# Altium PCB EL6905.PcbDoc (part 2 of 2) (continued)
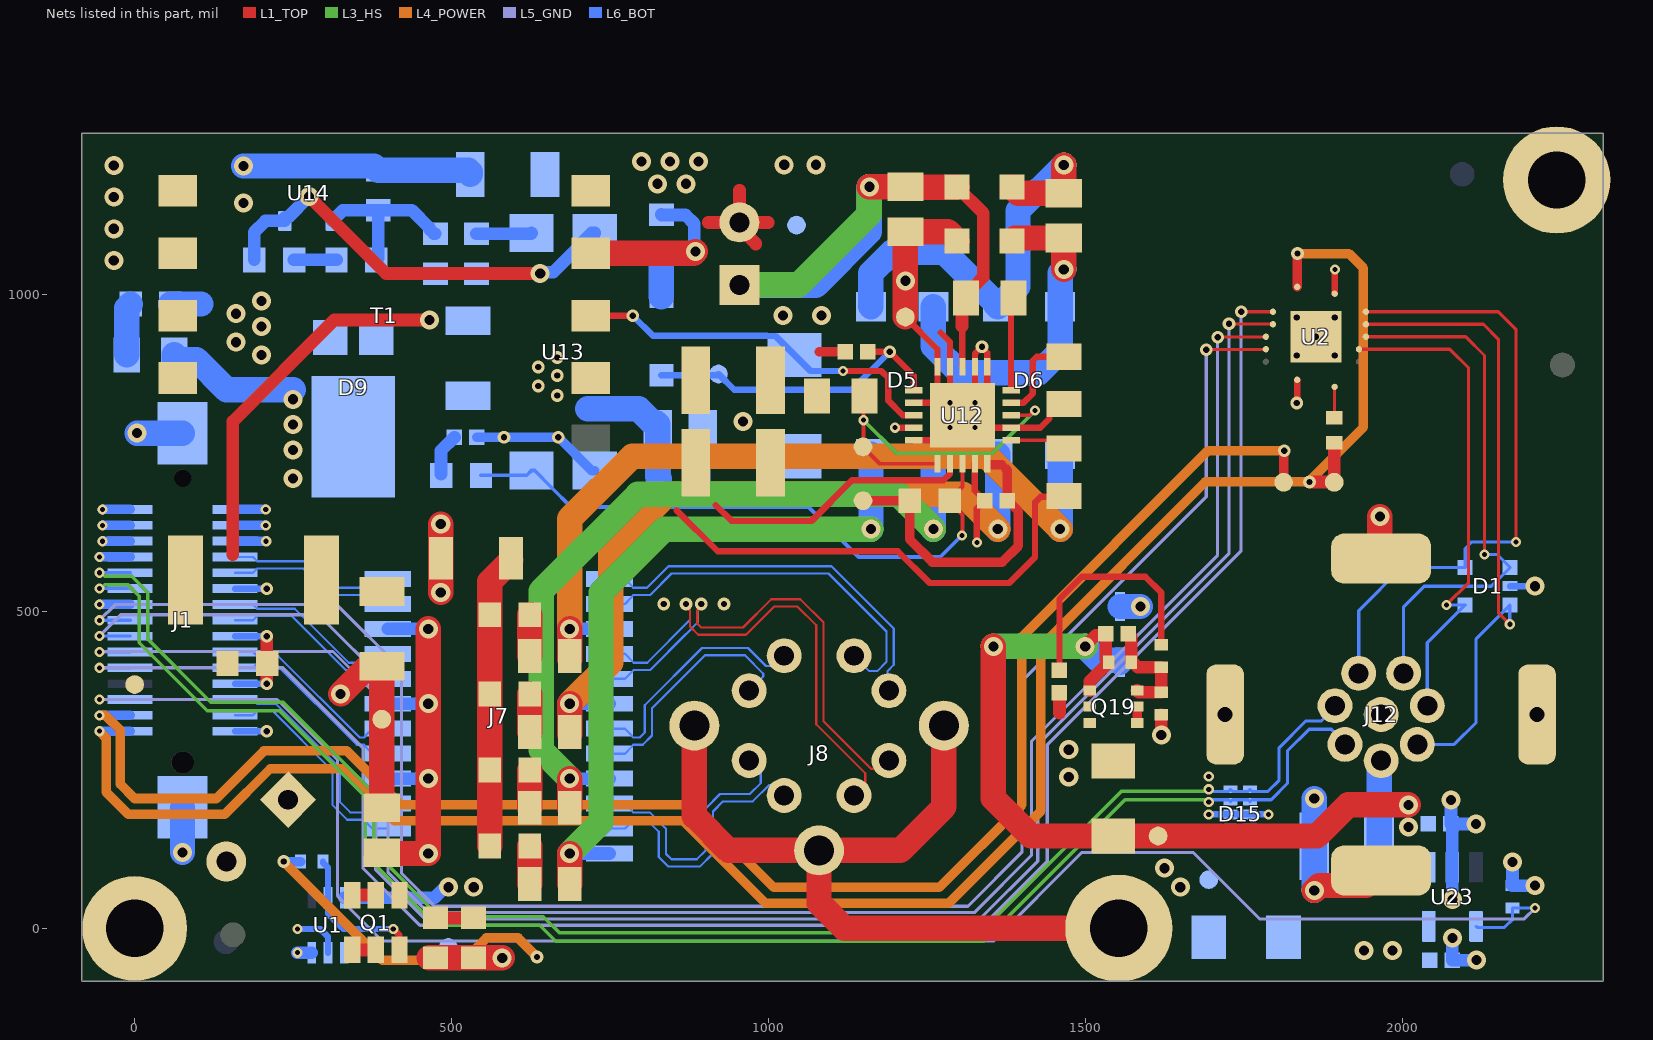
[diagram p6: the nets of this part, all layers, seen from the top]
## Nets (pads, with @x,y where several pads share a name; then routed paths per layer and width w, separated by ;. In a path a pad name is that pad's centre, name@x,y a point inside that pad or via, vN(x,y) a via of type N, cw(c..) or ccw(c..) an arc to the next point about the centre after c; other vN are vias at no path point) (continued)
MD4_N: J1.12 J7.12 | length 267.7
  L6_BOT w3.5: J1.12@158.27,586.22 186.81,586.22 193.56,579.47 270.79,579.47 312.82,537.44 362.06,537.44 364.11,539.49 364.11,540.53 374.96,551.38 J7.12@399.37,551.38
MD4_P: J1.11 J7.11 | length 267.7
  L6_BOT w3.5: J1.11@158.27,561.22 186.81,561.22 193.56,567.97 266.03,567.97 308.06,525.94 362.06,525.94 364.11,523.89 364.11,522.86 374.96,512.01 J7.11@399.37,512.01
NetC1_2: C1.2 C2.2 Q1.4 R1.1 TP2.1 U1.6 | length 226.3
  L1_TOP w20: C1.2@475,16.5 C2.2@535,16.5
  L6_BOT w20: U1.6@330.59,48.31 473.28,48.31 v1@489.98,65
  other v1: 495,65 535,65 1650,65 1625,95
NetC50_2: C50.2 J7.1 J7.4 J7.7 J7.10 | length 678.4
  L1_TOP w40: C50.2@395,118.31 v1(463.31,118.31) v1(463.31,236.42) v1(463.31,354.53) v1(463.31,472.64)
  L6_BOT w20: J7.1@399.37,118.31 v1(463.31,118.31) ; J7.4@399.37,236.42 v1(463.31,236.42) ; J7.7@399.37,354.53 v1(463.31,354.53) ; J7.10@399.37,472.64 v1(463.31,472.64)
NetC51_1: C51.1 R72.2 | length 65
  L1_TOP w40: C51.1@623.5,430 R72.2@623.5,495
NetC52_1: C52.1 R73.2 | length 60
  L1_TOP w40: C52.1@623.5,310 R73.2@623.5,370
NetC53_1: C53.1 R74.2 | length 59.5
  L1_TOP w40: C53.1@623.5,190.55 R74.2@623.5,250
NetC54_1: C54.1 R75.2 | length 60
  L1_TOP w40: C54.1@623.5,70 R75.2@623.5,130
NetC55_2: C55.2 R72.1 R73.1 R74.1 R75.1 | length 464.5
  L1_TOP w40: R75.1@560.51,130 R74.1@560.51,250 R73.1@560.51,370 R72.1@560.51,495 560.51,547.51 C55.2@593.74,580.74
NetC85_1: C85.1 D10.1 R80.1
NetC89_1: C89.1 R81.1 | length 82.4
  L6_BOT w40: R81.1@-12.4,905 -12.4,979.09 C89.1@-6.5,985
NetC91_2: C91.2 D9.1 L5.1 R81.2 | length 214.4
  L6_BOT w40: R81.2@62.4,905 62.4,898.11 63.07,897.44 97.56,897.44 145,850 250,850
  other v1: 250,710 250,755 250,795 250,835
NetC97_2: C97.2 R86.1 | length 66.8
  L6_BOT w20: R86.1@483.5,716.97 483.5,753.94 C97.2@504.57,775
NetC98_1: C98.1 U13.2 U14.2 | length 685
  L1_TOP w20: v1(275,1155) 396.65,1033.35 v1(640,1033.35)
  L6_BOT w20: C98.1@188.5,1055 188.5,1098.5 206.54,1116.54 U14.2@236.97,1116.54 236.97,1121.46 237.8,1122.28 242.28,1122.28 v1(275,1155) ; v1(640,1033.35) 641.91,1035.26 660.26,1035.26 701.17,1076.17 701.17,1077.32 721.09,1097.24 U13.2@726.21,1097.24
NetC98_2: C98.2 R87.2 | length 67
  L6_BOT w20: C98.2@251.5,1055 R87.2@318.5,1055
NetC124_1: C124.1 Q19.3 R3.1 R137.1 R138.2 | length 177.4
  L1_TOP w20: C124.1@1567.72,465 1572.72,460 R3.1@1572.72,422.28 ; R3.1@1572.72,420 R3.1@1572.72,422.28 ; Q19.3@1581.77,375.43 1584.49,372.72 R138.2@1620,372.72 R137.1@1620,412.28 1582.72,412.28 R3.1@1572.72,422.28
NetC125_1: C125.1 R137.2 | length 379.8
  L1_TOP w10: C125.1@1459.37,407.56 1459.37,519.37 1495,555 1595,555 1620,530 R137.2@1620,447.72
NetD11_2: D11.2 R82.1 | length 66.7
  L6_BOT w40: D11.2@831.21,996.85 R82.1@831.21,1063.5
NetJ1_28: J1.28 R106.1 U23.4 | length 2823.8
  L5_GND w5: v2(-55.66,361.22) 224.78,361.22 320,266 320,51 391,-20 1355,-20 1495,120 1670,120 1775,15 2192.87,15 v2(2210,32.13)
  L6_BOT w5: v2(-55.66,361.22) J1.28@-7.09,361.22 ; U23.4@2116.77,3.19 2118.6,1.36 2161.36,1.36 2174.37,14.37 R106.1@2174.37,32.13 v2(2210,32.13)
NetQ1_3: Q1.3 R2.1 U1.5 | length 235.6
  L1_TOP w10: v2(408,-1) 418,-11 Q1.3@418,-34
  L6_BOT w10: R2.1@297.13,105.56 297.13,103.6 305,95.72 U1.5@305,48.31 ; U1.5@305,48.31 305.03,23.5 329.54,-1 v2(408,-1)
NetR4_1: R4.1 U2.8 | length 49.1
  L1_TOP w5: R4.1@1893,805.69 1893.61,806.3 U2.8@1893.61,854.55
NetR82_2: R82.2 T1.2 | length 266.9
  L1_TOP w40: T1.2@721.6,1065.43 882.16,1065.43 v1(885,1068.27)
  L6_BOT w20: R82.2@831.21,1126.5 831.89,1125.82 869.18,1125.82 883.09,1111.91 883.09,1070.18 v1(885,1068.27)
NetR85_1: R85.1 U13.1 | length 87.2
  L6_BOT w20: R85.1@539.37,1096.34 625.3,1096.34 U13.1@626.21,1097.24
NetR87_1: R87.1 R90.1 R91.2 U14.1 | length 268.5
  L6_BOT w20: U14.1@311.77,1116.54 311.77,1121.46 312.6,1122.28 317.52,1122.28 328.58,1133.35 R91.2@384.37,1133.35 ; R87.1@381.5,1055 384.37,1057.87 R91.2@384.37,1133.35 ; R90.1@474.37,1096.34 472.4,1096.34 464.68,1104.06 464.68,1106.02 437.36,1133.35 R91.2@384.37,1133.35
RCL: R92.2 U12.9 | length 143.8
  L1_TOP w10: U12.9@1382.98,829.53 1402.53,829.53 1417,844 1417,896 1423.24,902.24 R92.2@1466.21,902.24
RDET: R88.2 U12.6 | length 88.7
  L1_TOP w5.91: U12.6@1382.98,770.47 1452.98,770.47 R88.2@1466.21,757.24
SP1: C52.2 D6.2 J7.18 | length 1168.7
  L1_TOP w40: C52.2@686.5,306.22 C52.2@686.5,310 v1(686.5,354.53)
  L4_POWER w40: v1(686.5,354.53) 751,419.03 751,596 840,685 1307,685 v1(1362,630)
  L6_BOT w20: v1(686.5,354.53) J7.18@749.37,354.53
  L6_BOT w40: v1(1362,630) D6.2@1362,748.7
SP2: C51.2 D6.3 J7.15 | length 1266.1
  L1_TOP w40: C51.2@686.5,424.33 C51.2@686.5,430 v1(686.5,472.64)
  L4_POWER w40: v1(686.5,472.64) 686.5,646.5 785,745 1345.42,745 v1(1460.42,630)
  L6_BOT w20: v1(686.5,472.64) J7.15@749.37,472.64
  L6_BOT w40: v1(1460.42,630) D6.3@1460.42,748.7
STRB/SCK: J1.25 U2.3 | length 2946.9
  L1_TOP w5: v3(1727,954) 1727.32,953.69 1795.86,953.69 U2.3@1796.17,953.37
  L5_GND w5: v2(-55.66,436.22) -54.88,437 313,437 380.5,369.5 380.5,92.5 458,15 1334.04,15 1425,105.96 1425,290 1727,592 v3(1727,954)
  L6_BOT w5: v2(-55.66,436.22) J1.25@-7.09,436.22
STRB/SCK_5V: D1.3 J12.6 U2.12 | length 1032.6
  L1_TOP w5: U2.12@1942.83,953.37 2128.57,953.37 2151.94,930 2151.94,498.06 v2(2170,480) ; J12.6@2019.06,285.31 J12.6@2030.31,285.31
  L6_BOT w5: J12.6@2024.06,290.34 2082.11,290.34 2116.77,325 2116.77,456.81 D1.3@2170,510.04 ; v2(2170,480) D1.3@2170,510.04 ; D1.3@2170.43,510.47 2170,510.47 D1.3@2170,510.04
SWO: D10.2 T1.3 U12.18 | length 595.8
  L1_TOP w10: T1.3@719.79,967 v3(786,967) ; v2(1117.9,879.64) 1178.36,879.64 1189,869 1189,833 1212.16,809.84 U12.18@1229.44,809.84
  L6_BOT w10: v3(786,967) 818,935 997.85,935 998.01,934.84 1011.21,934.84 1066.41,879.64 v2(1117.9,879.64)
TX1_N: J7.22 J8.2 | length 430.9
  L6_BOT w3.5: J7.22@749.37,197.05 773.78,197.05 784.63,186.2 784.63,185.16 786.68,183.11 812.76,183.11 838.5,157.38 838.5,117.5 847,109 886.93,109 901,123.07 901,189.26 923.68,211.95 970.68,211.95 988,229.26 988,246.67 J8.2@969.76,264.91
TX1_P: J7.23 J8.1 | length 434.7
  L6_BOT w3.5: J7.23@749.37,157.68 773.78,157.68 784.63,168.53 784.63,169.56 786.68,171.61 808,171.61 827,152.61 827,112.74 842.24,97.5 891.69,97.5 912.5,118.31 912.5,184.5 928.45,200.45 975.45,200.45 1001,226 1008.67,226 J8.1@1024.88,209.79
TX2_N: J7.19 J8.4 | length 384.2
  L6_BOT w3.5: J7.19@749.37,315.16 773.78,315.16 784.63,304.31 784.63,303.27 786.68,301.22 797,301.22 805,309.22 805,352.33 895.11,442.45 967.89,442.45 996.33,414 1008.62,414 J8.4@1024.88,430.26
TX2_P: J7.20 J8.3 | length 380.9
  L6_BOT w3.5: J7.20@749.37,275.79 773.78,275.79 784.63,286.64 784.63,287.67 786.68,289.72 801.76,289.72 816.5,304.46 816.5,347.57 899.88,430.95 963.12,430.95 992,402.07 992,397.38 J8.3@969.76,375.14
TX3_N: J7.16 J8.8 | length 769.8
  L1_TOP w3.5: v3(870,512.01) 870,507.96 876.25,501.71 876.25,476.49 889.24,463.5 964.76,463.5 1009.26,508 1045.74,508 1075.5,478.24 1075.5,322.24 1153,244.74 1153,227.67 J8.8@1135.12,209.79
  L6_BOT w3.5: J7.16@749.37,433.27 773.78,433.27 787.71,419.33 808.7,419.33 876.25,486.89 876.25,501.71 870,507.96 v3(870,512.01)
TX3_P: J7.17 J8.7 | length 771.7
  L1_TOP w3.5: v3(894,512.01) 894,507.96 887.75,501.71 887.75,481.25 894,475 960,475 1004.5,519.5 1050.5,519.5 1087,483 1087,327 1162,252 1177.33,252 J8.7@1190.24,264.91
  L6_BOT w3.5: J7.17@749.37,393.9 773.78,393.9 787.71,407.83 813.46,407.83 870.13,464.51 ; 870.21,464.59 887.75,482.12 887.75,501.71 894,507.96 v3(894,512.01)
TX4_N: J7.13 J8.6 | length 613
  L6_BOT w3.5: J7.13@749.37,551.38 773.78,551.38 784.63,540.53 784.63,539.49 786.68,537.44 808.44,537.44 842.5,571.5 1099.76,571.5 1198,473.26 1198,416 1188,406 1188,377.38 J8.6@1190.24,375.14
TX4_P: J7.14 J8.5 | length 610.8
  L6_BOT w3.5: J7.14@749.37,512.01 773.78,512.01 784.63,522.86 784.63,523.89 786.68,525.94 813.21,525.94 847.26,560 1095,560 1186.5,468.5 1186.5,420.76 1171.74,406 1159.38,406 J8.5@1135.12,430.26
USB_D_N: D15.2 D15.9 J1.21 J12.4 | length 2534.9
  L3_HS w5.5: v2(-55.66,536.22) -52.94,536.22 -47.19,541.97 -10.47,541.97 7.5,524 7.5,450.5 114.5,343.5 228.5,343.5 363.5,208.5 363.5,116.5 475,5 639.25,5 664.75,-20.5 1339.5,-20.5 1562.78,202.78 1691.69,202.78 v2(1694.94,199.53)
  L6_BOT w5: v2(-55.66,536.22) J1.21@-7.09,536.22 ; v2(1694.94,199.53) 1698.44,203.03 1725.95,203.03 D15.9@1729.29,199.69 1732.63,203.03 1756.66,203.03 D15.2@1760,199.69 1763.34,203.03 1793.38,203.03 1819,228.64 1819,280 1853.35,314.35 1888.46,314.35 1909.89,292.93 J12.4@1909.89,290.34
USB_D_P: D15.1 D15.10 J1.20 J12.3 | length 2519.2
  L3_HS w5.5: v2(-55.66,561.22) -52.94,561.22 -47.19,555.47 -4.88,555.47 21,529.59 21,456.09 120.09,357 234.09,357 377,214.09 377,122.09 480.59,18.5 644.84,18.5 670.34,-7 1333.91,-7 1557.19,216.28 1691.69,216.28 v2(1694.94,219.53)
  L6_BOT w5: v2(-55.66,561.22) J1.20@-7.09,561.22 ; v2(1694.94,219.53) 1698.44,216.03 1725.95,216.03 D15.10@1729.29,219.37 1732.63,216.03 1756.66,216.03 D15.1@1760,219.37 1763.34,216.03 1788,216.03 1806,234.03 1806,285.38 1847.97,327.35 1872.71,327.35 1894.14,348.78 J12.3@1894.14,351.37
VBUS: C125.2 Q19.1 Q19.2 Q19.5 Q19.6 R2.2 R136.2 TP1.1 U1.1 | length 575.8
  L1_TOP w15: Q19.1@1581.77,324.25 Q19.2@1581.77,349.84
  L1_TOP w20: 1459.37,340 C125.2@1459.37,372.13
  L4_POWER w15: v3(235,105.56) 390.56,-50 520,-50 555,-15 605,-15 v3(635,-45)
  L6_BOT w15: v3(235,105.56) R2.2@261.69,105.56
  other v1: 1474,239 1474,282
VBUSIN: C120.1 C121.2 C124.2 D20.2 J12.5 Q19.4 R3.2 R136.1 TP6.1 U23.1 | length 1426.3
  L1_TOP w20: v1(1500,445) 1500,446.08 1516.72,462.8 1530.08,462.8 C124.2@1532.28,465 1532.28,425 R3.2@1537.28,420 1506.97,389.69 Q19.4@1506.97,375.43
  L1_TOP w40: v1(1355,445) 1355,205 1414.21,145.79 R136.1@1544.37,145.79 TP6.1@1615,145.79 1865.79,145.79 1915,195 v1(2010,195)
  L3_HS w40: v1(1355,445) v1(1500,445)
  L6_BOT w40: v1(1500,445) 1522,423 1552,423 D20.2@1555,420 ; J12.5@1961.98,259.72 1963.82,257.88 C120.1@1963.82,129.84
  other v1: 2010,160
VDD: C96.2 R84.2 TP32.1 U12.5 | length 490.6
  L1_TOP w15: TP32.1@1149.37,674.84 R84.2@1222.87,674.84 1222.87,614.13 1259,578 1369,578 1394.5,603.5 1394.5,658.5 1382.86,670.14 1381.79,670.14 1378.16,673.77 C96.2@1378.16,674.84 ; U12.5@1348.16,731.58 1368.3,731.58 1377.09,722.79 C96.2@1377.09,674.84
VDD_5V: C119.2 J1.14 J1.15 J1.16 J1.17 J1.18 R1.2 U2.14 U23.5 | length 267.6
  L1_TOP w10: U2.14@1893.61,1001.6 1893.61,1039.61 v2(1894,1040)
  L6_BOT w15: v2(-50.92,610.96) -50.65,610.96 -50.39,611.22 J1.18@-7.09,611.22 ; v2(-50.92,635.96) -50.65,635.96 -50.39,636.22 J1.17@-7.09,636.22 ; v2(-50.92,660.96) -50.65,660.96 -50.39,661.22 J1.16@-7.09,661.22 ; J1.14@158.27,636.22 206.31,636.22 206.57,635.96 v2(206.84,635.96) ; J1.15@158.27,661.22 v2(206.84,661.22)
  other v1: 1940,-35 1985,-35
VNEG: C95.1 FB10.2 R92.1 TP5.1 U12.7 U12.11 U12.12 U12.14 U12.15 U12.17 U12.20 U12.21 | length 1010.7
  L1_TOP w9.84: TP5.1@1216.21,964.84 1266.84,914.21 U12.15@1266.84,886.61 1266.84,849.21 v2(1286.53,829.53) ; U12.20@1229.44,770.47 1266.84,770.47 v2(1286.53,790.16) ; U12.17@1229.44,829.53 v2(1286.53,829.53) ; 1272,940 1286.53,925.47 U12.14@1286.53,886.61 v2(1286.53,829.53) ; U12.21@1306.21,809.84 v2(1286.53,829.53) ; v2(1325.9,790.16) U12.7@1382.98,790.16 1429.16,790.16 1443.57,804.57 1443.57,811.69 1459.32,827.44 R92.1@1466.21,827.44 ; v2(1325.9,829.53) 1325.9,907.16 1336.74,918 v3(1337,918) 1337,917 1345.58,908.42 1345.58,849.21 v2(1325.9,829.53)
  L1_TOP w40: TP5.1@1216.21,964.84 v1(1216.21,1022) ; v1@1216.21,1026 v1(1216.21,1022) ; FB10.2@1297.9,1084.84 1283.34,1099.41 C95.1@1216.21,1099.41 v1(1216.21,1022)
VNEG_IN: C94.1 D5.4 D6.4 FB10.1 | length 558.4
  L1_TOP w40: FB10.1@1384.52,1084.84 1389.08,1089.41 C94.1@1466.21,1089.41 v1(1466.21,1040)
  L6_BOT w40: D5.4@1260.42,980.98 1260.42,918.58 1302,877 1427,877 1460.42,910.42 D6.4@1460.42,980.98 1460.42,1034.21 v1(1466.21,1040)
VPOS: C84.1 C85.2 C86.1 C87.2 C88.2 C95.2 FB9.2 R80.2 R88.1 R89.1 T1.4 TP27.1 U12.2 U12.13 | length 2459.3
  L1_TOP w10: 855,660 920,595 1204.44,595 1254.44,545 1380,545 1420.65,585.65 1420.65,672.46 1429.51,681.32 1465.09,681.32 R88.1@1466.21,682.44 ; 917,668 942,643 1067.97,643 1131.97,707 1276,707 1286.53,717.53 U12.2@1286.53,733.07 ; 1305.58,950.42 1306.21,949.79 U12.13@1306.21,886.61
  L1_TOP w20: FB9.2@1297.9,1169.84 1339,1128.75 1339,1028 1323.4,1012.4 1322.64,1012.4 1311.97,1001.73 R89.1@1311.97,994.84 1305.58,988.45 1305.58,950.42
  L1_TOP w40: v1(1159.43,1170.28) C95.2@1216.21,1170.28 1216.64,1169.84 FB9.2@1297.9,1169.84
  L3_HS w40: C86.1@954.37,1015.63 1047.63,1015.63 1159.43,1127.43 v1(1159.43,1170.28)
  L6_BOT w40: 715,820 795.19,820 816.8,798.39 822.71,798.39 825.34,795.75 C85.2@825.34,789.84 825.34,712.72 R80.2@828.22,709.84 ; C86.1@954.37,1015.63 955.16,1014.84 TP27.1@1044.37,1014.84 1074.84,1014.84 1159.43,1099.43 v1(1159.43,1170.28)
  other v3: 667,841 637,856 667,872.42 637,886 667,901
VPOS_IN: C94.2 D5.1 D6.1 FB9.1 | length 698.8
  L1_TOP w40: FB9.1@1384.52,1169.84 1394.08,1160.28 C94.2@1466.21,1160.28 v1(1466.21,1204.79)
  L6_BOT w40: D5.1@1162,980.98 1161.48,981.5 1161.48,1033.6 1194.88,1067 1278,1067 1358.38,986.62 1358.38,984.61 1358.94,984.04 D6.1@1360.96,984.04 ; D6.1@1362,980.98 1394,1012.99 1394,1132.58 v1(1466.21,1204.79)
VSEC: C89.2 D9.2 T1.7 T1.8 | length 48.5
  L6_BOT w39.37: C89.2@56.5,985 105,985
  other v1: 200,905 160,925 200,950 160,970 200,990
VSS: C86.2 C87.1 C88.1 C93.1 C96.1 C97.1 C99.1 R83.2 T1.1 TP33.1 U12.4 U12.19 U13.3 | length 605.2
  L1_TOP w10: v2(1200,790.16) U12.19@1229.44,790.16 ; U12.4@1325.9,733.07 1325.9,690.6 C96.1@1341.65,674.84 1329.09,662.28 v2(1329.09,609.17)
  L1_TOP w15: 1080.16,909.84 C93.1@1121.65,909.84
  L1_TOP w20: 905,1114.06 C86.2@954.37,1114.06 ; 954.37,1165 C86.2@954.37,1114.06 ; 980,1080 980,1080.84 954.37,1106.47 C86.2@954.37,1114.06 ; 1000,1114.06 C86.2@954.37,1114.06
  L6_BOT w15: C97.1@540,775 v3(582.79,775) v3(668.53,775) 721.09,722.44 U13.3@726.21,722.44
  other v1: 960,800 1023,967 1084,967 825,1175 870,1175 1025,1205 1075,1205 800,1210 845,1210 890,1210
  other v3: 835,512.01 930,512.01
VT15V: C93.2 D11.1 TP29.1 U12.16 | length 507
  L1_TOP w10: C93.2@1157.09,909.84 v3(1191.53,909.84) 1229.44,871.93 U12.16@1229.44,849.21
  L6_BOT w10: D11.1@831.21,872.83 919.2,872.83 TP29.1@921.21,874.84 946.05,850 1131.68,850 v3(1191.53,909.84)
pads on no net: D15.4 D15.5 D15.6 D15.7 FID1.1 FID2.1 FID3.1 FID4.1 J1.27 J1.C1 J1.C2 T1.5 T1.6 U1.4 U2.6 U2.9 U23.3

## Polygon pours and split planes (outlines as drawn)
GND on L1_TOP "GND_L01_P027" (solid, remove dead copper, pour order 27): 820,0 865,45 1255,45 1340,130 1340,365 1640,665 1640,1255 1645,1260 2320,1260 2320,-90 580,-90 580,-15 595,0
VBUSIN on L1_TOP "VBUSIN_L01_P026" (solid, pour order 26): 1905,215 2025,215 2030,210 2030,151.72 2024.06,145.79 1890,145.79 1890,198.77 1894.14,202.91
NetC1_2 on L1_TOP "NETC1_2_L01_P025" (solid, pour order 25): 410,80 405,75 405,25 431,-1 565,-1 575,9 575,75 570,80
VBUS on L1_TOP "VBUS_L01_P017" (solid, pour order 17): 1587,353 1590,350 1590,230 1580,220 1400,220 1390,230 1390,345 1398,353
VNEG on L1_TOP "VNEG_L01_P014" (solid, pour order 14): 1196,977 1196,938 1227,907 1291,907 1294,910 1294,925 1242,977
VSS on L1_TOP "VSS_L01_P012" (solid, pour order 12): 1010,1053.43 1010,980 945,915 945,665 955,655 1090,655 1100,665 1100,1210 1085,1225 880,1225 865,1210 865,1114.06 890.94,1114.06 935,1070 993.43,1070
VPOS on L1_TOP "VPOS_L01_P011" (solid, pour order 11): 610,925 605,920 605,830 615,820 705,820 790,820 805,805 805,660 810,655 920,655 930,665 930,920 995,985 995,1045 985,1055 925,1055 795,925
VSS on L1_TOP "VSS_L01_P009" (solid, pour order 9): 700,1225 662,1187 662,1153 700.94,1114.06 895,1114.06 905,1124.06 905,1220 900,1225
VSEC on L1_TOP "VSEC_L01_P004" (solid, pour order 4): 215,995 205,1005 -45,1005 -55,995 -55,835 -45,825 205,825 215,835
GND on L1_TOP "GND_L01_P003" (solid, pour order 3): -45,1230 -55,1220 -55,1039.37 -40.63,1025 200,1025 215,1040 215,1218.82 203.82,1230
NetC91_2 on L1_TOP "NETC91_2_L01_P002" (solid, pour order 2): 235,505 235,845 255,865 415,865 445,835 445,505 415,475 265,475
5V_PoE on L1_TOP "5V_POE_L01_P000" (solid, pour order 0): 339,89 346,82 389,82 395,76 395,-55 392,-58 253,-58 215,-20 215,102 152,165 -15,165 -35,185 -35,640 155,640 175,620 175,386.42 339,222.42 339,106
NetC1_2 on L6_BOT "NETC1_2_L06_P024" (solid, pour order 24): 545,50 555,60 555,80 545,90 329.86,90 325,85.14 325,22 332,15 450,15 485,50
VDD_5V on L6_BOT "VDD_5V_L06_P021" (solid, pour order 21): 2045,45 2055,35 2055,-60 1785,-60 1775,-50 1775,35.22 1784.78,45
VBUSIN on L6_BOT "VBUSIN_L06_P020" (solid, pour order 20): 2040.22,214.78 2052,203 2052,69.56 2042.44,60 1930,60 1925,65 1925,209.78 1930,214.78
NetC1_2 on L6_BOT "NETC1_2_L06_P019" (solid, pour order 19): 1615,115 1605,105 1605,-40 1620,-55 1725,-55 1730,-50 1730,95 1710,115
VBUS on L6_BOT "VBUS_L06_P016" (solid, pour order 16): 1359,-60 1505,86 1505,291 1494,302 1392,302 1382,292 1382,124.9 1291,35 501.04,35 439.21,-12 330,-12 327,-15 327,-59 328,-60
NetC85_1 on L6_BOT "NETC85_1_L06_P013" (solid, pour order 13): 880,825 870,815 870,691 876,685 1093.46,685 1103.46,695 1103.46,821.54 1100,825
VPOS on L6_BOT "VPOS_L06_P010" (solid, pour order 10): 735,900 735,815 720,800 690,800 455,800 445,810 445,910 450,915 720,915
VSS on L6_BOT "VSS_L06_P008" (solid, pour order 8): 620,1245 615,1240 615,1150 620,1145 845,1145 925,1065 1060,1065 1120,1125 1120,1235 1110,1245
5V_PoE on L6_BOT "5V_POE_L06_P007" (solid, pour order 7): 452.87,1057.87 445,1050 445,937.44 450,932.44 567.44,932.44 575,940 575,1052.87 570,1057.87
VSEC on L6_BOT "VSEC_L06_P006" (solid, pour order 6): 425,900 415,890 155,890 105,940 105,1005 110,1010 415,1010 425,1000
NetC91_2 on L6_BOT "NETC91_2_L06_P005" (solid, remove dead copper, pour order 5): 420,870 425,865 425,665 420,660 229.27,660 219.27,670 219.27,859.27 230,870
GND on L3_HS "GND_L03_P029" (solid, remove dead copper, pour order 29): 340,1250.32 340,870 515,695 515,175 640,50 655,65 1265,65 1350,150 1350,380 1635,665 1635,1250 1645.02,1256.7 2320,1260 2320,-90 -75,-90 -85,-80 -85,1260 265,1260 275,1250
VNEG on L3_HS "VNEG_L03_P015" (solid, pour order 15): 1250,770 1230,790 1230,920 1180,970 1180,1083.47 1191.53,1095 1365,1095 1390,1070 1390,813 1347,770
VDD_5V on L4_POWER "VDD_5V_L04_P022" (solid, pour order 22): 1857,847 1882,822 1882,667 1760,545 1760,-38 1815,-93 2311,-93 2339,-65 2339,853 2340,853 2340,1265 -90,1250 -90,615 -70,595 540,595 792,847
NetC1_2 on L4_POWER "NETC1_2_L04_P018" (solid, pour order 18): 1375,-60 1485,50 1660,50 1680,70 1680,150 1620,210 1495,210 1300,15 965,15 895,85 475,85 470,80 470,-5 480,-15 585,-15 630,-60
VSS on L5_GND "VSS_L05_P028" (solid, pour order 28): 1035,1255 410,1255 400,1245 400,880 595,685 595,185 650,130 1245,130 1314.6,199.6 1314.6,388.19 1328.19,388.19 1595,655 1595,1260
GND on L5_GND "GND_L05_P023" (solid, remove dead copper, pour order 23): 300,1254.16 300,840 495,645 495,167 607,55 1230,55 1340,165 1340,385 1615,660 1615,1254.71 2316,1255 2316,-79 2319,-82 -82,-82 -82,1254
GND on L2_GND (split plane): 2297.74,-63.64 -63.64,-63.64 -63.64,1234.75 309.91,1234.75 309.91,870 310.26,864.77 311.28,859.62 312.97,854.66 315.28,849.96 318.2,845.6 321.66,841.66 509.91,653.4 509.91,185 510.26,179.77 511.28,174.62 512.97,169.66 515.28,164.96 518.2,160.6 521.66,156.66 621.66,56.65 625.6,53.2 629.96,50.28 634.66,47.97 639.62,46.28 644.77,45.26 650,44.91 1245,44.91 1250.23,45.26 1255.38,46.28 1260.34,47.97 1265.04,50.28 1269.4,53.2 1273.34,56.66 1338.35,121.66 1341.8,125.6 1344.72,129.96 1347.03,134.66 1348.72,139.62 1349.74,144.77 1350.09,150 1350.09,368.4 1628.34,646.65 1631.8,650.6 1634.72,654.96 1637.03,659.66 1638.72,664.62 1639.74,669.77 1640.09,675 1640.09,1234.75 2297.74,1234.75
VSS on L2_GND (split plane): 1559.91,691.6 1281.66,413.34 1278.2,409.4 1275.28,405.04 1272.97,400.34 1271.28,395.38 1270.26,390.23 1269.91,385 1269.91,166.6 1228.4,125.09 666.6,125.09 590.09,201.6 590.09,670 589.74,675.23 588.72,680.37 587.03,685.34 584.72,690.04 581.8,694.4 578.34,698.34 390.09,886.6 390.09,1234.75 1559.91,1234.75

## Keep-outs
L3_HS:
  lines w80: 356,1295 356,862 552,666 552,183 635,100 1254.04,100 1310,155.96 1310,383.55 1597,672.8 1597,1371
L5_GND:
  lines w80: 356,1295 356,862 552,666 552,141 608,85 1230,85 ; 1220,80 1234.04,80 1310,155.96 1310,383.55 1597,672.8 1597,1371
Keep-Out Layer:
  the board outline again, w19.68

## Other copper
L2_GND (plane layer: these items are gaps in the copper):
  lines w80: 350,1355 350,870 550,670 550,185 650,85 1245,85 1310,150 1310,385 1600,675 1600,1295

## Silkscreen, mask and mechanical layers (free items; w line width, h text height)
Top Overlay:
  drawing of 22 lines, arcs and shapes, not listed
  text ".project_title  .revision" at 1670.64,1067.13 h59.06
Bottom Overlay:
  region: 220,280 220,240 255,275
  text ".project_title  .revision" at 2045.36,1134.13 h59.06
Bottom Mask:
  drawing of 2 lines, arcs and shapes, not listed
out line:
  the board outline again, w3.94
DXF_03012023:
  lines w0.5: 769.96,-78.74 cw(c1058.62,314.96) 1347.29,-78.74 ; 2357.83,222.18 cw(c1964.13,334.65) 2357.83,447.11
Top DXF_03012023:
  drawing of 1507 lines, arcs and shapes, not listed
Bottom DXF_03012023:
  drawing of 668 lines, arcs and shapes, not listed
DXF_03072023:
  drawing of 884 lines, arcs and shapes, not listed
  text "55.08" at 927.55,1981.5 h137.8
  text "11.95" at -918.2,1529.55 h137.8 r90
  text "30.00" at 2478.07,312.47 h137.8 r90
  text "11.40" at -918.2,235.59 h137.8 r90
  text "17.55" at 1630.75,-199.23 h137.8
  text "2.30" at -800.78,-547.79 h137.8 r45
  text "57.00" at 843.09,-561.53 h137.8
Drill Drawing:
  circle w10: c8148.95,1479.16 r20
  circle w10: c8148.95,1479.16 r33.33
  circle w10: c8148.95,579.16 r33.33
  lines w10: 8115.62,245.82 8182.28,245.82 8182.28,312.49 8115.62,312.49 8115.62,245.82 ; 8115.62,462.49 8182.28,462.49 8148.95,395.82 8115.62,462.49 ; 8115.62,695.82 8182.28,695.82 8182.28,762.49 8115.62,762.49 8115.62,695.82 ; 8115.62,845.82 8148.95,862.49 8182.28,845.82 8165.62,879.16 8182.28,912.49 8148.95,895.82 8115.62,912.49 8132.28,879.16 8115.62,845.82 ; 8115.62,1012.49 8132.28,1012.49 8148.95,995.82 8165.62,1012.49 8182.28,1012.49 8165.62,1029.16 8182.28,1045.82 8165.62,1045.82 8148.95,1062.49 8132.28,1045.82 8115.62,1045.82 8132.28,1029.16 8115.62,1012.49 ; 8115.62,1145.82 8115.62,1162.49 8132.28,1179.16 8115.62,1195.82 8115.62,1212.49 8132.28,1212.49 8148.95,1195.82 8165.62,1212.49 8182.28,1212.49 8182.28,1195.82 8165.62,1179.16 8182.28,1162.49 8182.28,1145.82 8165.62,1145.82 8148.95,1162.49 8132.28,1145.82 8115.62,1145.82 ; 8115.62,1312.49 8132.28,1312.49 8132.28,1295.82 8165.62,1295.82 8165.62,1312.49 8182.28,1312.49 8182.28,1345.82 8165.62,1345.82 8165.62,1362.49 8132.28,1362.49 8132.28,1345.82 8115.62,1345.82 8115.62,1312.49 ; 8128.95,709.16 8168.95,709.16 8168.95,749.16 8128.95,749.16 8128.95,709.16
  lines w15: 8055.82,200.82 18886.76,200.82 ; 8055.82,1550.82 18886.76,1550.82 ; 8606.7,50.82 8606.7,1700.82 ; 9196.55,50.82 9196.55,1700.82 ; 10296.22,50.82 10296.22,1700.82 ; 10802.1,50.82 10802.1,1700.82 ; 11535.9,50.82 11535.9,1700.82 ; 12725.56,50.82 12725.56,1700.82 ; 13315.41,50.82 13315.41,1700.82 ; 14405.09,50.82 14405.09,1700.82 ; 16364.49,50.82 16364.49,1700.82 ; 17484.16,50.82 17484.16,1700.82 ; 8055.82,50.82 18886.76,50.82 18886.76,1700.82 8055.82,1700.82 8055.82,50.82
  text "Symbol" at 8145.82,1595.82 h72
  text "Count" at 8651.7,1595.82 h72
  text "Hole Size" at 9241.55,1595.82 h72
  text "Plated" at 10341.22,1595.82 h72
  text "Hole Type" at 10847.1,1595.82 h72
  text "Drill Layer Pair" at 11580.9,1595.82 h72
  text "Via/Pad" at 12770.56,1595.82 h72
  text "Pad Shape" at 13360.41,1595.82 h72
  text "Template" at 14450.09,1595.82 h72
  text "Hole Length" at 16409.49,1595.82 h72
  text "Routed Path Length" at 17529.16,1595.82 h72
  text "41" at 8651.7,1445.82 h60
  text "8.00mil (0.203mm)" at 9241.55,1445.82 h60
  text "PTH" at 10341.22,1445.82 h60
  text "Round" at 10847.1,1445.82 h60
  text "L1_TOP - L6_BOT" at 11580.9,1445.82 h60
  text "Via" at 12770.56,1445.82 h60
  text "Rounded" at 13360.41,1445.82 h60
  text "v41h20" at 14450.09,1445.82 h60
  text "-" at 16409.49,1445.82 h60
  text "-" at 17529.16,1445.82 h60
  text "33" at 8651.7,1295.82 h60
  text "10.00mil (0.254mm)" at 9241.55,1295.82 h60
  text "PTH" at 10341.22,1295.82 h60
  text "Round" at 10847.1,1295.82 h60
  text "L1_TOP - L6_BOT" at 11580.9,1295.82 h60
  text "Via" at 12770.56,1295.82 h60
  text "Rounded" at 13360.41,1295.82 h60
  text "v51h25" at 14450.09,1295.82 h60
  text "-" at 16409.49,1295.82 h60
  text "-" at 17529.16,1295.82 h60
  text "76" at 8651.7,1145.82 h60
  text "16.00mil (0.406mm)" at 9241.55,1145.82 h60
  text "PTH" at 10341.22,1145.82 h60
  text "Round" at 10847.1,1145.82 h60
  text "L1_TOP - L6_BOT" at 11580.9,1145.82 h60
  text "Via" at 12770.56,1145.82 h60
  text "Rounded" at 13360.41,1145.82 h60
  text "v76h41" at 14450.09,1145.82 h60
  text "-" at 16409.49,1145.82 h60
  text "-" at 17529.16,1145.82 h60
  text "2" at 8651.7,995.82 h60
  text "23.62mil (0.600mm)" at 9241.55,995.82 h60
  text "PTH" at 10341.22,995.82 h60
  text "Slot" at 10847.1,995.82 h60
  text "L1_TOP - L6_BOT" at 11580.9,995.82 h60
  text "Pad" at 12770.56,995.82 h60
  text "Rounded Rectangle" at 13360.41,995.82 h60
  text "r400_150h60_300r50m405_155p-1_-1" at 14450.09,995.82 h60
  text "118.11mil (3.000mm)" at 16409.49,995.82 h60
  text "94.49mil (2.400mm)" at 17529.16,995.82 h60
  text "1" at 8651.7,845.82 h60
  text "27.56mil (0.700mm)" at 9241.55,845.82 h60
  text "NPTH" at 10341.22,845.82 h60
  text "Round" at 10847.1,845.82 h60
  text "L1_TOP - L6_BOT" at 11580.9,845.82 h60
  text "Pad" at 12770.56,845.82 h60
  text "Rounded" at 13360.41,845.82 h60
  text "c70hn70m78" at 14450.09,845.82 h60
  text "-" at 16409.49,845.82 h60
  text "-" at 17529.16,845.82 h60
  text "20" at 8651.7,695.82 h60
  text "31.50mil (0.800mm)" at 9241.55,695.82 h60
  text "PTH" at 10341.22,695.82 h60
  text "Round" at 10847.1,695.82 h60
  text "L1_TOP - L6_BOT" at 11580.9,695.82 h60
  text "Pad" at 12770.56,695.82 h60
  text "Rounded" at 13360.41,695.82 h60
  text "(Mixed)" at 14450.09,695.82 h60
  text "-" at 16409.49,695.82 h60
  text "-" at 17529.16,695.82 h60
  text "1" at 8651.7,545.82 h60
  text "35.43mil (0.900mm)" at 9241.55,545.82 h60
  text "NPTH" at 10341.22,545.82 h60
  text "Round" at 10847.1,545.82 h60
  text "L1_TOP - L6_BOT" at 11580.9,545.82 h60
  text "Pad" at 12770.56,545.82 h60
  text "Rounded" at 13360.41,545.82 h60
  text "c90hn90m98" at 14450.09,545.82 h60
  text "-" at 16409.49,545.82 h60
  text "-" at 17529.16,545.82 h60
  text "3" at 8651.7,395.82 h60
  text "47.24mil (1.200mm)" at 9241.55,395.82 h60
  text "PTH" at 10341.22,395.82 h60
  text "Round" at 10847.1,395.82 h60
  text "L1_TOP - L6_BOT" at 11580.9,395.82 h60
  text "Pad" at 12770.56,395.82 h60
  text "Rounded" at 13360.41,395.82 h60
  text "c200h120m205p-1" at 14450.09,395.82 h60
  text "-" at 16409.49,395.82 h60
  text "-" at 17529.16,395.82 h60
  text "3" at 8651.7,245.82 h60
  text "90.55mil (2.300mm)" at 9241.55,245.82 h60
  text "PTH" at 10341.22,245.82 h60
  text "Round" at 10847.1,245.82 h60
  text "L1_TOP - L6_BOT" at 11580.9,245.82 h60
  text "Pad" at 12770.56,245.82 h60
  text "Rounded" at 13360.41,245.82 h60
  text "(Mixed)" at 14450.09,245.82 h60
  text "-" at 16409.49,245.82 h60
  text "-" at 17529.16,245.82 h60
  text "180 Total" at 8651.7,95.82 h60
  text "Slot definitions :" at 8145.82,-49.15 h60
  text "Routed Path Length" at 9178.51,-49.15 h60
  text "= Calculated from tool start centre position to tool end centre position." at 10281.18,-49.15 h60
  text "Hole Length" at 9178.51,-149.13 h60
  text "= Routed Path Length + Tool Size = Slot length as defined in the PCB layout" at 9871.31,-149.13 h60

## Text inside footprints (layer, text, board x,y; h text height)
D20: Bottom Overlay "*" at 1580,558.5 h50 r90; Bottom 3D Body "*" at 1580,504 h50 r90
J1: Bottom 3D Body "550910374" at 345.59,373.72 h50 r270